# Altium PCB RpiBaseBoard.PcbDoc (continued)
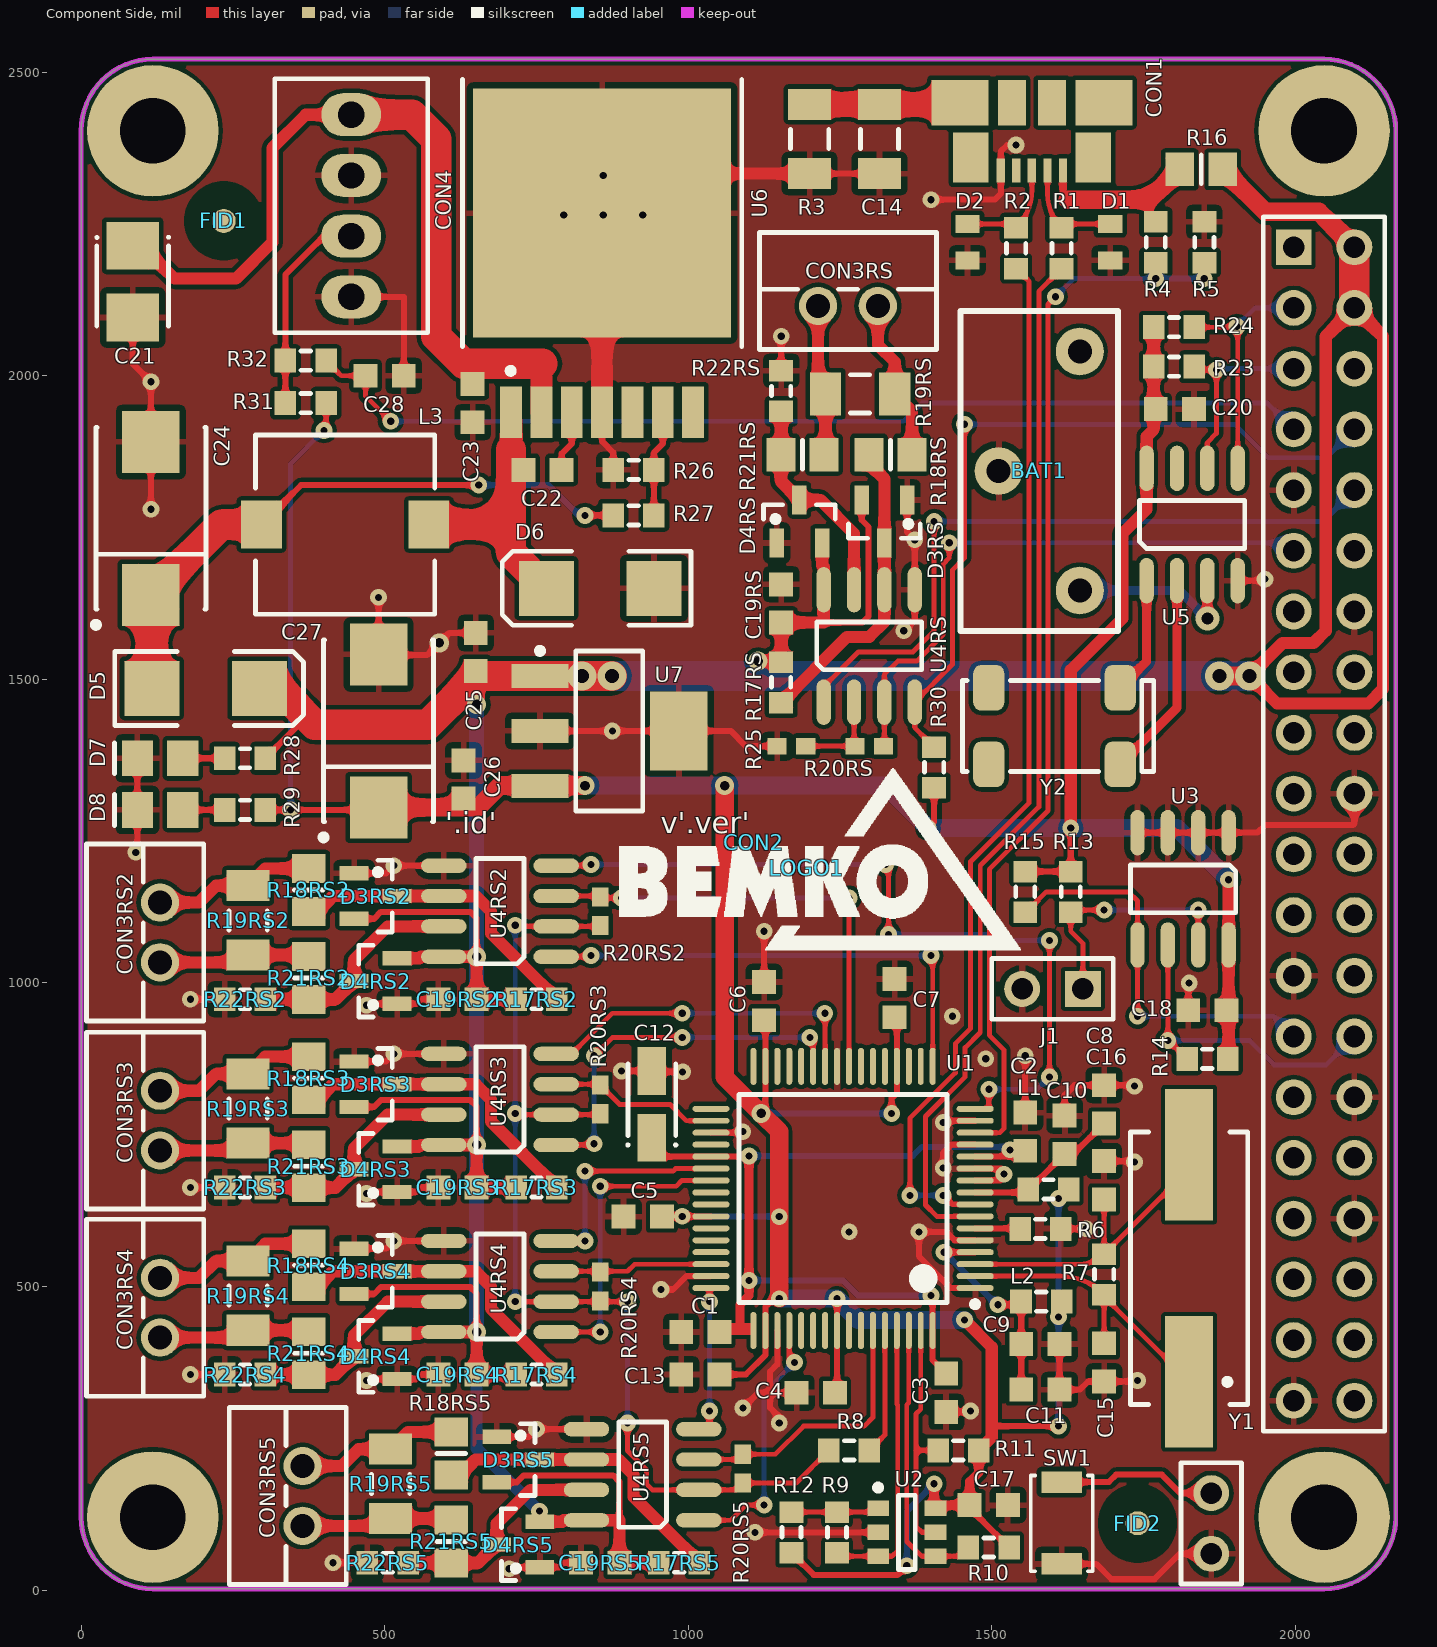
[diagram p0: Component Side view]
## Footprints (in the part's own frame and the unit in brackets; to place one, negate y for a bottom-side part, rotate by r counter-clockwise, add the part's x,y. Pads: shape width x height; smd on the part's side, far side on the other; paste and mask are expansions set on the pad) (continued)
LOGO_BEMKO [mil]
  silkscreen extent -308,-135 353,164
LQFP-64_L [mm] "Thin QFP, 64-Leads, Body 10x10mm, Pitch 0.5mm, IPC High Density"
  oval 1.55x0.25 smd: 1(-5.525,3.75) 2(-5.525,3.25) 3(-5.525,2.75) 4(-5.525,2.25) 5(-5.525,1.75) 6(-5.525,1.25) 7(-5.525,0.75) 8(-5.525,0.25) 9(-5.525,-0.25) 10(-5.525,-0.75) 11(-5.525,-1.25) 12(-5.525,-1.75) 13(-5.525,-2.25) 14(-5.525,-2.75) 15(-5.525,-3.25) 16(-5.525,-3.75) 33(5.525,-3.75) 34(5.525,-3.25) 35(5.525,-2.75) 36(5.525,-2.25) 37(5.525,-1.75) 38(5.525,-1.25) 39(5.525,-0.75) 40(5.525,-0.25) 41(5.525,0.25) 42(5.525,0.75) 43(5.525,1.25) 44(5.525,1.75) 45(5.525,2.25) 46(5.525,2.75) 47(5.525,3.25) 48(5.525,3.75)
  oval 0.25x1.55 smd: 17(-3.75,-5.525) 18(-3.25,-5.525) 19(-2.75,-5.525) 20(-2.25,-5.525) 21(-1.75,-5.525) 22(-1.25,-5.525) 23(-0.75,-5.525) 24(-0.25,-5.525) 25(0.25,-5.525) 26(0.75,-5.525) 27(1.25,-5.525) 28(1.75,-5.525) 29(2.25,-5.525) 30(2.75,-5.525) 31(3.25,-5.525) 32(3.75,-5.525) 49(3.75,5.525) 50(3.25,5.525) 51(2.75,5.525) 52(2.25,5.525) 53(1.75,5.525) 54(1.25,5.525) 55(0.75,5.525) 56(0.25,5.525) 57(-0.25,5.525) 58(-0.75,5.525) 59(-1.25,5.525) 60(-1.75,5.525) 61(-2.25,5.525) 62(-2.75,5.525) 63(-3.25,5.525) 64(-3.75,5.525)
  silkscreen extent -5.65,-4.35 4.35,4.55, body extent -6,-6 6,6, height 1.56
MICRO-USB-CONNECTOR [mm] "Usb B micro SMD connector"
  rect 1x0.35 smd: 1(0,1.3) 2(0,0.65) 3(0,0) 4(0,-0.65) 5(0,-1.3)
  rect 1.9x2.375 smd: 6(-2.85,3.013) 6(-2.85,-3.012)
  rect 1.9x1.175 smd: 6(-2.85,-0.837) 6(-2.85,0.837)
  rect 2.1x1.475 smd: 6(-0.55,2.562) 6(-0.55,-2.562)
  body extent -5.43,-4.1 0.5,4.1, height 2.72
MP04A_N [mm] "SOT223, 4-Leads, Body 6.5x3.5mm, Pitch 2.3mm, Lead Span 7mm, IPC Medium Density"
  rect 2.4x1 smd: 1(-2.9,2.3) 2(-2.9,0) 3(-2.9,-2.3)
  rect 2.4x3.3 smd: 4(2.9,0)
  silkscreen extent -3.02,-3.35 1.4,3.47, body extent -3.47,-3.25 3.47,3.25, height 1.64
MX-5267-02A [mm] "2.50mm (.098\") Pitch SPOX™ Wire-to-Board Header"
  round 1.6 hole 1: 1(-1.25,0) 2(1.25,0)
  silkscreen extent -3.7,-1.83 3.7,3.08, body extent -3.73,-1.83 3.68,3.08, height 5.95
RASPBERRYPI3 [mm] "Header with step"
  rect 1.5x1.5 hole 0.9: 1(50.73,-7.87)
  round 1.5 hole 0.9: 2(53.27,-7.87) 3(50.73,-10.41) 4(53.27,-10.41) 5(50.73,-12.95) 6(53.27,-12.95) 7(50.73,-15.49) 8(53.27,-15.49) 9(50.73,-18.03) 10(53.27,-18.03) 11(50.73,-20.57) 12(53.27,-20.57) 13(50.73,-23.11) 14(53.27,-23.11) 15(50.73,-25.65) 16(53.27,-25.65) 17(50.73,-28.19) 18(53.27,-28.19) 19(50.73,-30.73) 20(53.27,-30.73) 21(50.73,-33.27) 22(53.27,-33.27) 23(50.73,-35.81) 24(53.27,-35.81) 25(50.73,-38.35) 26(53.27,-38.35) 27(50.73,-40.89) 28(53.27,-40.89) 29(50.73,-43.43) 30(53.27,-43.43) 31(50.73,-45.97) 32(53.27,-45.97) 33(50.73,-48.51) 34(53.27,-48.51) 35(50.73,-51.05) 36(53.27,-51.05) 37(50.73,-53.59) 38(53.27,-53.59) 39(50.73,-56.13) 40(53.27,-56.13) 41(47.28,-59.99) 42(47.28,-62.53)
  round 5.5 hole 2.75: ""(3,-61) ""(3,-3) ""(52,-61) ""(52,-3)
  silkscreen extent 46.01,-63.8 54.54,-6.6, body extent -1.81,-86.99 55.5,0.39, height 12.55
RESC1005N [mm] "Chip Resistor, Body 1.1x0.5mm, IPC Medium Density"
  rect 0.8x0.7 smd: 1(-0.6,0) 2(0.6,0)
  body extent -0.57,-0.27 0.58,0.28, height 0.41
RESC1608N [mm] "Chip Resistor, Body 1.6x0.8mm, IPC Medium Density"
  rect 0.9x1 smd: 1(-0.85,0) 2(0.85,0)
  silkscreen extent -0.2,-0.4 0.2,0.4, body extent -0.8,-0.4 0.8,0.4, height 0.3
RESC2012N [mm] "Chip Resistor, Body 2.0x1.3mm, IPC Medium Density"
  rect 1.2x1.4 smd: 1(-0.9,0) 2(0.9,0)
  silkscreen extent 0,-0.6 0,0.6, body extent -1,-0.62 1,0.63, height 0.78
RESC3216N [mm] "Chip Resistor, Body 3.2x1.6mm, IPC Medium Density"
  rect 1.3x1.8 smd: 1(-1.45,0) 2(1.45,0)
  silkscreen extent -0.4,-0.8 0.4,0.8, body extent -1.6,-0.8 1.6,0.8, height 0.55
SMB [mm] "DO-214-AA/SMB; 2 C-Bend Leads; Body 5.3 x 3.6 mm, inc. leads (LxW)"
  rect 2.3x2.3 smd: 1(-2.25,0) 2(2.25,0)
  silkscreen extent -3.8,-1.55 4.1,1.55, body extent -2.67,-1.77 2.63,1.83, height 2.4
SMDA [mm] "Capacitor, SM Tantalum; Body 3.2 x 1.6 mm (LxW typ)"
  rect 2x1.2 smd: 1(-1.4,0) 2(1.4,0)
  silkscreen extent -1.71,-1.01 1.7,1.01, body extent -2.4,-0.9 2.4,0.9, height 1.8
SMDB [mm] "Capacitor, SM Tantalum; Body 3.5 x 2.8 mm (LxW typ)"
  rect 2x2.2 smd: 1(-1.5,0) 2(1.5,0)
  silkscreen extent -1.86,-1.5 1.85,1.5, body extent -2.5,-1.5 2.5,1.5, height 2.11
SMDD [mm] "Capacitor, SM Tantalum; Body 7.3 x 4.3 mm (LxW typ)"
  rect 2.6x2.4 smd: 1(-3.2,0) 2(3.2,0)
  silkscreen extent -4.57,-2.3 3.8,2.42, body extent -4.5,-2.3 4.5,2.31, height 3.1
SO-8_L [mm] "8-Pin Small Outline Integrated Circuit 1.27 mm Pitch, IPC High Density"
  oval 1.9x0.6 smd: 1(-2.35,1.905) 2(-2.35,0.635) 3(-2.35,-0.635) 4(-2.35,-1.905) 5(2.35,-1.905) 6(2.35,-0.635) 7(2.35,0.635) 8(2.35,1.905)
  silkscreen extent -1,-2.2 1,2.2, body extent -3.17,-2.5 3.17,2.5, height 1.88
SOT23-3L [mm] "SOT23, 3-Leads, Body 2.9x1.3mm, Pitch 0.95mm, Lead Span 2.5mm, IPC High Density"
  rect 1.2x0.6 smd: 1(-0.9,0.95) 2(-0.9,-0.95) 3(0.9,0)
  silkscreen extent -0.02,-1.5 0.7,1.5, body extent -1.26,-1.45 1.21,1.47, height 1
SOT23-6 [mm] "SOT23, 6-Leads, Body 3x1.5mm, Pitch 1mm, Lead Span 2.7mm, IPC High Density"
  rect 0.9x0.65 smd: 1(-1.2,1) 2(-1.2,0) 3(-1.2,-1) 4(1.2,-1) 5(1.2,0) 6(1.2,1)
  silkscreen extent -1.32,-1.55 0.35,2, body extent -1.4,-1.45 1.4,1.45, height 1.45
SURGX-0603 [mil] "Suppressor diode"
  rect 30x40 smd: 1(-30,0) 2(30,0)
  body extent -31,-16 32,16, height 35
Terminal-block-4way-2.54 [mm]
  oval 1.8x2.5 hole 1.1: 1(-3.81,0) 2(-1.27,0) 3(1.27,0) 4(3.81,0)
  silkscreen extent -5.31,-3.2 5.31,3.2, body extent -5.28,-3.3 5.34,3.2, height 8.6
TO-263-7 [mil] "D2-PAK/TO-263-AB; 7 Leads (1 Cropped); Body 15.9 (inc. leads) x 10.4 mm (LxW max)"
  rect 36x85 smd: 1(-150,-242.74) 2(-100,-242.74) 3(-50,-242.74) 4(0,-242.74) 5(50,-242.74) 6(100,-242.74) 7(150,-242.74)
  rect 425x410 smd paste-400: TAB(0,85.26)
  silkscreen extent -230,-179 230,305, body extent -201,-280 199,286, height 179
ULTRA-SMALL-TACT-SWITCH-SMT [mm] "B3U-1000PM. Ultra-small-sized Tactile Switch with  High Contact Reliability"
  rect 0.9x1.7 smd: 1(-1.7,0) 2(1.725,0)
  silkscreen extent -2,-1.3 2,1.3, body extent -2,-1.25 2,1.25, height 1.6

## Part data
C1 C2 C3 C4 C5 C6 C7 C8 C9 C10 C11 C13 C14 C15 C16 C17 C18 C19RS C19RS2 C19RS3 C19RS4 C19RS5 C20 C22 C23 C28: library part Capacitor, "Capacitor"
C12: library part "100uF 6.3V-SMDB", "Polarized Capacitor (Surface Mount)", Distributor=tme.pl, Distributor Order Code="TC 100/6.3-SMDB", farnell=1135048, Manufacturer=*, Manufacturer Part No.=*, PackageReference=SMDB, tme.pl="TC 100/6.3-SMDA"
C21: library part "Capacitor Tantalum", "Capacitor Tantalum"
C24 C27: library part "10uF 35V-SMDD", "Polarized Capacitor (Surface Mount)", Distributor=tme.pl, Distributor Order Code="TC 10/35-SMDD", Manufacturer=*, Manufacturer Part No.=*, PackageReference=SMDD, tme.pl="TC 10/35-SMDD"
C25 C26: library part Cap, "Capacitor", LatestRevisionDate=17-Jul-2002, LatestRevisionNote="Re-released for DXP Platform.", Published=8-Jun-2000, Publisher="Altium Limited"
CON1: library part USB-B-MICRO-Sock
CON2: library part RaspberryPi3, "Raspberry pi model 3B connector with step"
CON3RS CON3RS2 CON3RS3 CON3RS4 CON3RS5: library part MX-02227-2021, "Pith 2.54mm, 2-pin", ComponentLink1Description="Manufacturer Link", ComponentLink2Description=Datasheet, Distributor=tme.pl, tme.pl=MX-6410-03A
CON4: library part "Terminal Block 4"
D1 D2: "ESD Suppressor", ComponentLink1Description="Manufacturer Link", ComponentLink2Description=Datasheet, Distributor=tme.pl
D3RS D3RS2 D3RS3 D3RS4 D3RS5 D4RS D4RS2 D4RS3 D4RS4 D4RS5: "Schottky Barrier Double Diode", ComponentLink1Description="Manufacturer Link", ComponentLink1URL=http://www.semiconductors.philips.com/, ComponentLink2Description=Datasheet, ComponentLink2URL=http://www.semiconductors.philips.com/acrobat/datasheets/BAT54_SERIES_4.pdf, DatasheetVersion=4-Mar-2002, LatestRevisionDate=12-Dec-2006, LatestRevisionNote="IPC-7351 Footprint Added.", PackageDescription="3-Pin SOT-23 Package 0.95 mm Pitch, 2.3 mm Lead Span", PackageReference=SOT23, PackageVersion=May-1999, Published=17-Sep-2003, Publisher="Altium Limited"
D5 D6: library part MBRS340T3, "Schottky Barrier Rectifier,  40V, 3A", Distributor=*, Distributor Order Code=*, Manufacturer Part No.=*, PackageReference=SMC, tme.pl=MBRS340T3
D7 D8: library part "Led Green", "Typical GREEN LED", Manufacturer="Lucky Light"
FID1 FID2: library part "FID ROUND", "round fiducial"
L1 L2: library part Inductor, "Inductor", Code_IEC=1005, Code_JEITA=0402, LatestRevisionDate=29-May-2009, LatestRevisionNote="IPC-7351 Footprint Added.", PackageDescription="Chip Inductor", PackageReference=0402-A, Published=8-Jun-2000, Publisher="Altium Limited"
L3: PackageDocument=Sep-1998, ComponentLink1Description="Manufacturer Link", ComponentLink2Description=Datasheet, Distributor=tme.pl, elfa.se=58-101-14, Published=8-Jun-2000, Publisher="Altium Limited"
R1 R2 R3 R7 R8 R13 R14 R15 R16 R17RS R17RS2 R17RS3 R17RS4 R17RS5 R22RS R22RS2 R22RS3 R22RS4 R22RS5 R23 R24 R26 R27 R28 R29 R31 R32: library part Resistor, "Resistor", Power=0W, Tolerance=5%
R4 R5 R6 R9 R10 R11 R12 R18RS R18RS2 R18RS3 R18RS4 R18RS5 R19RS R19RS2 R19RS3 R19RS4 R19RS5 R20RS R20RS2 R20RS3 R20RS4 R20RS5 R21RS R21RS2 R21RS3 R21RS4 R21RS5 R25 R30: library part Resistor, "Resistor", Power=0W, Tolerance=1%
SW1: library part DTSHW66NB, "SWITCH, SPNO TACT", PackageDocument=Sep-1998, ComponentLink1Description="Manufacturer Link", ComponentLink2Description=Datasheet, Distributor=tme.pl, LatestRevisionDate=17-Jul-2002, LatestRevisionNote="Re-released for DXP Platform.", PackageReference=SOT-23A, Published=8-Jun-2000, Publisher="Altium Limited", tme.pl=DTSHW66NB
U1: library part COM-UART-FT4232H-LQFP64, "Quad High Speed USB To Multipurpose UART/MPSSE IC, 64-pin LQFP, Tape and Reel", Manufacturer=FTDI, ComponentLink1Description="Manufacturer URL", ComponentLink1URL=http://www.ftdichip.com/, ComponentLink2Description=Datasheet, ComponentLink2URL=http://www.ftdichip.com/Support/Documents/DataSheets/ICs/DS_FT4232H.pdf, DatasheetVersion="ver 2.2, Jan-2012", PackageDescription="64-Pin Thin Quad Flat Pack, 10 x 10 x 1.4 mm Body, 0.5 mm Pitch", PackageReference=LQFP-64, PackageVersion=Jan-12, PartNumber=FT4232HL-Reel, RevisionNote="DatasheetVersion updated to 2.2 Jan-2012"
U2: "1K Microwire Compatible Serial EEPROM"
U3: "16Kbit, 400kHz, 2.5V, I2C Serial EEPROM, 8-Pin SOIC 150mil, Extended Temperature", Code_IPC=SOIC127P600-8, Code_JEDEC=MS-012, DatasheetVersion="revA, Nov-2008", PackageDescription="8-Lead Plastic Small Outline (SN) - Narrow, 3.90mm Body [SOIC]", PackageReference=SOIC-SN8, PackageVersion="revBB, Aug-2009"
U4RS U4RS2 U4RS3 U4RS4 U4RS5: "Low-Power, Slew-Rate-Limited RS-485/RS-422 Transceiver", Code_IPC=SOIC127P600-8, Code_JEDEC=MS-012-AA, ComponentLink1Description="Manufacturer Link", ComponentLink1URL=http://www.maxim-ic.com/, ComponentLink2Description=Datasheet, ComponentLink2URL=http://pdfserv.maxim-ic.com/en/ds/MAX1487-MAX491.pdf, DatasheetVersion=Feb-1996, LatestRevisionDate=13-Apr-2006, LatestRevisionNote="IPC-7351 Footprint Added.", PackageDescription="8-Pin Small Outline Integrated Circuit 1.27 mm Pitch", PackageReference=NSO8, Published=16-Jan-2001, Publisher="Altium Limited"
U5: library part CMP-0254-00324-1, "64 x 8, Serial, I2C Real-Time Clock, 5.0V, 8-Pin SO, -40 to 85 degC, Pb-Free", Code_IPC=SOIC127P600-8, Code_JEDEC=MS-012-AA, ComponentLink1Description="Manufacturer URL", ComponentLink1URL=http://www.maxim-ic.com, ComponentLink2Description=Datasheet, ComponentLink2URL=http://datasheets.maxim-ic.com/en/ds/DS1307.pdf, ComponentLink3Description="Package Specification", ComponentLink3URL=http://pdfserv.maxim-ic.com/package_dwgs/21-0041.PDF, DatasheetVersion=10-Feb-2008, PackageDescription="8-Pin Small-Outline IC, Narrow (0.15in), 1.27 mm Pitch, SOIC (N), Pb-Free", PackageReference=S8+2, PackageVersion="revC, 2010"
U6: "SIMPLE SWITCHER High Efficiency 3A Step-Down Voltage Regulator", ComponentLink1Description="Manufacturer Link", ComponentLink1URL=http://www.national.com/, ComponentLink2Description=Datasheet, ComponentLink2URL=http://www.national.com/ds.cgi/LM/LM2676.pdf, Distributor=tme.pl, elfa.se=73-068-81
U7: "1A Low Dropout Regulator for 5V to 3.3V Conversion, 4-pin SOT-223", Manufacturer="National Semiconductor", PackageTopMarking=XYTT*L52B, PowerWise=N, Supplier Part Number 1=9779280, Code_IPC=SOT223-4, Code_JEDEC=TO-261-AA, ComponentLink1Description="LM3940 Datasheet", ComponentLink1URL=http://www.national.com/ds/LM/LM3940.pdf, ComponentLink2Description="LM3940 Web Page", ComponentLink2URL=http://www.national.com/pf/LM/LM3940.html, ComponentLink3Description="MP04A Package Page", ComponentLink3URL=http://www.national.com/packaging/folders/mp04a.html, CompType="LDO IC", DatasheetVersion=Jul-2007, PackageDescription="Molded SOT-223, 6.50 x 3.56 x 1.6mm Body, 4 Lead, 2.3mm Pitch", PackageReference=MP04A, PackageVersion="revB, Apr-2003", PartNumber=LM3940IMP-3.3, PinCount=4, Published=4-Dec-2008, Publisher="Altium Limited", RoHS=N, Supplier 1=Farnell
Y1: library part HC49, "HC49"
Y2: library part XTAL, "Crystal Oscillator"

## Via types
v1: diameter 27.56, hole 11.81, Component Side to Bottom Layer, tented both sides, 118 vias
v2: diameter 31.5, hole 15.75, Component Side to Bottom Layer, tented both sides, 9 vias
v3: diameter 47.24, hole 23.62, Component Side to Bottom Layer, tented both sides, 4 vias
v4: diameter 39.37, hole 19.68, Component Side to Bottom Layer, tented both sides, 1 vias

## Nets (pads, with @x,y where several pads share a name; then routed paths per layer and width w, separated by ;. In a path a pad name is that pad's centre, name@x,y a point inside that pad or via, vN(x,y) a via of type N, cw(c..) or ccw(c..) an arc to the next point about the centre after c; other vN are vias at no path point)
1V8: C1.1 C2.1 C3.1 C12.1 U1.12 U1.37 U1.49 U1.64 | length 1448
  Component Side w10: C12.1 940,720 946.1,713.9 U1.37 1098.9,713.9 v1(1100,715) ; v1(1400,485) 1402.64,482.36 U1.64 1402.64,378.86 C3.1 ; U1.12 1545.39,713.9 C2.1
  Component Side w15: 1085,435 1085,470 1100,485 v1(1100,510) v1(1100,715)
  Bottom Layer w10: v1(1100,510) 1254.69,510 1279.69,485 v1(1400,485) ; v1(1100,715) 1370,715 1385,730 1525,730 v1(1530,725)
3V3: C4.1 C5.1 C6.1 C7.1 C13.1 C17.2 C18.2 C20.2 C26.2 C27.1 L1.1 L2.1 R9.1 R10.1 R11.1 R13.1 R14.1 R15.1 R23.1 R24.1 R29.1 R30.1 R31.1 U1.20 U1.31 U1.42 U1.50 U1.56 U2.6 U3.8 U5.8 U7.3 | length 7500.3
  Component Side w8: v1(400,1910) 403.46,1913.46 R31.1
  Component Side w10: R29.1 v1(345,1285) 485.98,1285 C27.1 ; C5.1 956.97,615.47 v1(990,615.47) U1.42 ; C13.1 1095,355 1127.05,387.05 U1.50 1127.05,467.1 v1@1150,490.05 ; 1060,935 1063.5,938.5 ; v2(1120,785) 1127.05,792.05 U1.31 1127.05,936.46 C6.1 ; R9.1 1206.54,25 1345,25 v1(1360,40) ; C4.1 1245.16,328.66 U1.56 1245.16,479.84 v1(1245,480) ; C7.1@1328.5,955 C7.1 1343.58,939.92 U1.20 1343.58,818.58 1335,810 v1(1335,785) ; v1(1395,1255) 1405,1265 R30.1 ; U2.6@1405,136.61 U2.6 U2.6@1412.87,140 ; C17.2 1463.5,134.96 R10.1 ; 1500,270 v1(1610,270) ; R15.1 R13.1 v1(1630,1255)
  Component Side w15: U2.6@1405,136.61 v1(1405,175) ; U2.6@1412.87,140 C17.2 1463.5,178.5 1478.46,193.46 R11.1
  Component Side w20: v1(1455,445) 1500,400 1500,270 1500,251.54 R11.1 ; v1(1630,1255) 1630,1515 1715,1600 1715,1740 1755,1780 U5.8 1755,1900 1766.54,1911.54 R23.1 R24.1 ; R14.1 1890,876.54 U3.8 v1(1890,1170)
  Component Side w30: C27.1 654.02,1289.02 690,1325 755.28,1325 U7.3 756.38,1325 v2(830,1325) ; v2(1060,1325) 1060,935 1060,845 v2(1120,785) 1150,755 v1(1150,615) 1150,490.05 v1(1150,480)
  Bottom Layer w8: v1(345,1285) 345,1855 v1(400,1910)
  Bottom Layer w10: v1(990,615.47) 1149.53,615.47 v1(1150,615) ; v2(1120,785) v1(1335,785) ; v1(1360,40) 1360,130 v1(1405,175) ; v1(1610,270) v1(1610,450) v1(1610,645)
  Bottom Layer w30: v2(830,1325) v2(1060,1325) 1325,1325 v1(1395,1255) v1(1630,1255) 1805,1255 v1(1890,1170) ; v1(1150,480) v1(1245,480) 1280,445 v1(1455,445)
3V3RPI: CON2.1 CON2.17
5V: C19RS2.1 C19RS3.1 C19RS4.1 C19RS5.1 C19RS.1 C25.2 CON2.2 CON2.4 D3RS2.2 D3RS3.2 D3RS4.2 D3RS5.2 D3RS.2 D4RS2.2 D4RS3.2 D4RS4.2 D4RS5.2 D4RS.2 D5.2 R16.1 R17RS2.2 R17RS3.2 R17RS4.2 R17RS5.2 R17RS.2 R28.1 U4RS2.8 U4RS3.8 U4RS4.8 U4RS5.8 U4RS.8 U7.1 | length 8100.8
  Component Side w10: R28.1 365,1431.54 365,1445 ; D3RS4.2 482.6,487.6 493.81,498.81 641.19,498.81 651.5,488.5 v2(651.5,425) ; D3RS3.2 482.6,795.71 493.81,806.92 641.19,806.92 651.5,796.61 v2(651.5,733.11) ; D3RS2.2 482.6,1105.71 493.81,1116.92 641.19,1116.92 651.5,1106.61 v2(651.5,1043.11) ; D3RS5.2 717.6,177.6 728.81,188.81 876.19,188.81 886.5,178.5 886.5,98.5 ; 1206.61,1593.5 1286.61,1593.5 1296.92,1603.81 1296.92,1751.19 1285.71,1762.4 D3RS.2
  Component Side w20: D5.2 D5.2@303.46,1475.12 ; D4RS4.2 557.4,422.4 560,425 U4RS4.8 v2(651.5,425) C19RS4.1 R17RS4.2 ; D4RS3.2 557.4,730.51 560,733.11 U4RS3.8 v2(651.5,733.11) C19RS3.1 R17RS3.2 ; D4RS2.2 557.4,1040.51 560,1043.11 U4RS2.8 v2(651.5,1043.11) C19RS2.1 R17RS2.2 ; v1(755,130) 755,112.83 D4RS5.2 792.4,112.4 795,115 U4RS5.8 886.5,115 C19RS5.1 R17RS5.2 ; v2(1115,1530) 1151.57,1530 R17RS.2 C19RS.1 1223.11,1593.5 U4RS.8 1223.11,1685 1220.51,1687.6 D4RS.2 ; v3(1924.45,1505.55) 1970,1460 2120,1460 2144.42,1484.42 2144.42,2064.56 CON2.4 2050,2064.49 2050,1580 2030,1560 1978.9,1560 v3(1924.45,1505.55)
  Component Side w25: C25.2 651.5,1512.01 651.5,1505.55 v2(651.5,1458.5)
  Component Side w30: v3(1875,1505.55) v3(1924.45,1505.55) ; R16.1 1950.43,2270 2038.98,2270 CON2.2
  Component Side w50: D5.2 325,1485 365,1445 385,1425 570.94,1425 651.5,1505.55 U7.1 v3(874.45,1505.55) ; CON2.4 CON2.2
  Bottom Layer w20: v2(651.5,425) 651.5,233.5 v1(755,130)
  Bottom Layer w25: v2(651.5,425) v2(651.5,733.11) v2(651.5,1043.11) v2(651.5,1458.5)
  Bottom Layer w50: v3(825,1505.55) v3(874.45,1505.55) v3(1875,1505.55) v3(1924.45,1505.55) v3@1925,1505
#PDOWN: C28.2 CON2.7 R32.2 | length 1685.2
  Component Side w8: R32.2 428.46,2000 C28.2 468.5,1966.5 v1(510,1925)
  Bottom Layer w8: v1(510,1925) 1355,1925 1385,1955 1953.98,1955 CON2.7
#PWREN: R8.1 R20RS2.2 R20RS3.2 R20RS4.2 R20RS5.2 U4RS2.2 U4RS3.2 U4RS4.2 U4RS5.2 | length 1732.1
  Component Side w8: v1(715,475) U4RS4.2 v1(900,475) ; v1(715,785) 716.89,783.11 U4RS3.2 853.62,783.11 R20RS3.2 ; v1(715,1095) 716.89,1093.11 U4RS2.2 853.62,1093.11 R20RS2.2 ; v1(900,275) 900,229.7 931,198.7 931,175 941,165 U4RS5.2 1078.62,165 R20RS5.2 1177.91,176.38 R8.1
  Bottom Layer w8: v1(715,475) v1(715,785) v1(715,1095) ; v1(900,275) v1(900,475)
#RERS: R20RS.2 R25.2 U4RS.2 | length 151.2
  Component Side w8: R25.2 1271.73,1390 1273.11,1391.38 U4RS.2
CLK: R10.2 U1.62 U2.4 | length 466.4
  Component Side w8: U1.62 1363.27,308.27 1360,305 1360,80 1384.37,55.63 U2.4 1447.17,55.63 R10.2
CS: R11.2 U1.63 U2.5 | length 398.7
  Component Side w8: U1.63 1382.95,297.95 1375,290 1375,230 ; U2.5 1385,95 1375,105 1375,230 ; R11.2 1375,230
CTS0: CON2.36
D+: CON1.3 D2.2 R2.1 | length 184
  Component Side w8: D2.2 1533.46,2250 R2.1 ccw(c1477.03,2306.43) 1566.08,2306.43 CON1.3
D-: CON1.2 D1.2 R1.1 | length 183.3
  Component Side w8: CON1.2 1591.67,2299.78 ccw(c1671.32,2299.78) R1.1 1621.54,2250 D1.2
DERS: CON2.11 R20RS.1 U4RS.3 | length 970.9
  Component Side w8: R20RS.1 1323.11,1391.38 U4RS.3 1323.11,1508.11 1345,1530 1376.21,1530 1420,1573.79 1420,1690 1430,1700 v1(1430,1725)
  Bottom Layer w8: v1(1430,1725) 1983.98,1725 CON2.11
DI: R12.2 U1.61 U2.3 | length 469.4
  Component Side w8: R12.2 1250.91,55.63 U2.3 1335.63,55.63 1345,65 1345,305 1343.58,306.42 U1.61
DO: R9.2 R12.1 U2.1 | length 145.2
  Component Side w8: R9.2 R12.1 1306.85,128.46 U2.1
GND: BAT1.3 C1.2 C2.2 C3.2 C4.2 C5.2 C6.2 C7.2 C8.2 C9.2 C10.2 C11.2 C12.2 C13.2 C14.1 C15.1 C16.1 C17.1 C18.1 C19RS2.2 C19RS3.2 C19RS4.2 C19RS5.2 C19RS.2 C20.1 C21.2 C23.1 C24.2 C25.1 C26.1 C27.2 C28.1 CON1.5 CON2.6 CON2.9 CON2.14 CON2.20 CON2.25 CON2.30 CON2.34 CON2.39 CON2.42 CON4.2 CON4.4 D1.1 D2.1 D3RS2.1 D3RS3.1 D3RS4.1 D3RS5.1 D3RS.1 D4RS2.1 D4RS3.1 D4RS4.1 D4RS5.1 D4RS.1 D6.1 D7.2 D8.2 J1.2 R3.1 R5.2 R6.2 R22RS2.1 R22RS3.1 R22RS4.1 R22RS5.1 R22RS.1 R25.1 R26.1 SW1.1 U1.1 U1.5 U1.10 U1.11 U1.13 U1.15 U1.25 U1.35 U1.47 U1.51 U2.2 U3.1 U3.2 U3.3 U3.4 U4RS2.5 U4RS3.5 U4RS4.5 U4RS5.5 U4RS.5 U5.4 U6.4 U6.TAB U7.2 U7.4 | length 6789.5
  Component Side w10: C21.2 85,2020 v1(115,1990) C24.2 v1(115,1780) ; v1(90,1215) 92.6,1217.6 D8.2 D7.2 ; v1(180,355) R22RS4.1 ; v1(180,663.11) R22RS3.1 ; v1(180,973.11) R22RS2.1 ; v1(415,45) R22RS5.1 ; CON4.4 531.5,2130 C28.1 ; D3RS4.1 502.4,562.4 v1(515,575) U4RS4.5 ; D3RS3.1 502.4,870.51 v1(515,883.11) U4RS3.5 ; D3RS2.1 502.4,1180.51 v1(515,1193.11) U4RS2.5 ; v1(470,345) 472.6,347.6 D4RS4.1 552.6,347.6 560,355 C19RS4.2 ; v1(470,653.11) 472.6,655.71 D4RS3.1 552.6,655.71 560,663.11 C19RS3.2 ; v1(470,963.11) 472.6,965.71 D4RS2.1 552.6,965.71 560,973.11 C19RS2.2 ; v1(490,1635) C27.2 490.98,1540 570,1540 606.5,1576.5 C25.1 ; D3RS5.1 737.4,252.4 v1(750,265) U4RS5.5 ; v1(705,35) 707.6,37.6 D4RS5.1 787.6,37.6 795,45 C19RS5.2 ; U7.2 v1(875,1415) U7.4 1070,1415 1095,1390 R25.1 ; U6.4 858.11,1891.89 876.54,1873.46 R26.1 ; v1(890,855) 890.12,855.12 C12.2 941.61,853.5 v1(990.81,853.5) ; v1(955,495) 975,495 997.05,517.05 U1.47 ; U1.35 1088.27,753.27 v1(1090,755) ; v1(1090,300) 1115,325 1135,325 ; v1(1110,95) U2.2 ; C6.2 v1(1125,1085) ; U1.51 1146.73,371.73 1135,360 1135,325 ; v1(1150,275) 1150,285 1135,300 1135,325 ; R22RS.1 v1(1153.11,2065) ; C4.2 1135,325 ; R3.1 C14.1 ; v1(1355,1580) 1373.11,1598.11 U4RS.5 v1(1373.11,1730) 1360.51,1742.6 D3RS.1 ; v1(1400,2290) 1505,2290 1514.9,2299.9 CON1.5 1514.9,2369.9 1525,2380 v1(1540,2380) ; v1(1420,695) 1420,720 1433.58,733.58 U1.13 ; v1(1420,770) 1422.95,772.95 U1.15 ; C3.2 1463.5,293.5 v1(1465,295) ; U1.1 1432.64,497.36 1380,550 v1(1380,590) 1425,590 1438.9,576.1 U1.5 ; U1.10 1514.53,674.53 1525,685 1515.79,694.21 U1.11 ; C2.2 v1(1555,880) ; C9.2 C11.2 1645,330 1658.5,343.5 C15.1 1738.5,343.5 v1(1740,345) ; R6.2 v1(1655,595) ; SW1.1 1671.93,43.07 1697.17,17.83 1767.83,17.83 1809.76,59.76 CON2.42 ; C10.2 1620,815 1636.5,831.5 C8.2 1733.5,831.5 v1(1735,830) ; C16.1 1733.5,706.5 v1(1735,705) ; U3.4 U3.3 U3.2 U3.1 1937.52,1247.52 1950,1260 2095,1260 2097.24,1262.24 CON2.20 CON2.20@2095,1309.49 ; C18.1 1823.5,998.5 v1(1825,1000) ; U5.4 1947.48,1662.48 v1(1950,1665)
  Component Side w20: U6.TAB 923.02,2332.91 R3.1
  Component Side w35: U6.4 U6.TAB
  other v1: 1265,590 1520,685 1490,875 1435,945 795,2265 860,2265 925,2265 860,2330
  other v2: 590,1560
NetC8_1: C8.1 C10.1 L1.2 U1.9 | length 260.2
  Component Side w10: U1.9 1554.84,654.84 L1.2 1561.5,660 C10.1 1635,718.5 C8.1 ; L1.2@1548.07,660 L1.2@1548.5,660.43
NetC9_1: C9.1 C11.1 L2.2 U1.4 | length 362.8
  Component Side w10: v1@1420,555 v1(1421.42,556.42) U1.4 ; v1(1510,470) 1543.07,470 L2.2 1548.5,474.57 C9.1 C11.1
  Bottom Layer w10: v1(1421.42,556.42) 1507.83,470 v1(1510,470)
NetC22_1: C22.1 D6.2 L3.1 U6.1 | length 449.5
  Component Side w35: 708.11,1878.11 U6.1
  Component Side w50: L3.1 708.11,1755 ; 708.11,1878.11 708.11,1755 ; D6.2 708.11,1708.31 708.11,1755
NetC22_2: C22.2 U6.3 | length 101.9
  Component Side w10: C22.2 791.5,1871.5 808.11,1888.11 U6.3
NetC24_1: C24.1 D5.1 L3.2 R27.2 | length 1011.8
  Component Side w10: L3.2 362.2,1820 v1(655,1820) ; v1(830,1770) R27.2
  Component Side w50: D5.1 116.42,1637.6 C24.1 230.98,1755 L3.2
  Bottom Layer w10: v1(655,1820) 770,1820 820,1770 v1(830,1770)
NetCON2_41: CON2.41 SW1.2 | length 263.9
  Component Side w10: SW1.2 1692.93,177.93 1705,190 1780,190 1810.24,159.76 CON2.41
NetCON4_3: CON4.3 R31.2 R32.1 | length 346.3
  Component Side w10: R31.2 R32.1 336.54,2166.54 400,2230 CON4.3
NetD3RS2_3: D3RS2.3 R17RS2.1 R18RS2.2 U4RS2.6 | length 510.8
  Component Side w20: R18RS2.2 389.57,1117.68 415,1143.11 D3RS2.3 U4RS2.6 650,1143.11 675,1118.11 675,1081.57 R17RS2.1
NetD3RS3_3: D3RS3.3 R17RS3.1 R18RS3.2 U4RS3.6 | length 510.8
  Component Side w20: R18RS3.2 389.57,807.68 415,833.11 D3RS3.3 U4RS3.6 650,833.11 675,808.11 675,771.57 R17RS3.1
NetD3RS4_3: D3RS4.3 R17RS4.1 R18RS4.2 U4RS4.6 | length 510.8
  Component Side w20: R18RS4.2 389.57,499.57 415,525 D3RS4.3 U4RS4.6 650,525 675,500 675,463.46 R17RS4.1
NetD3RS5_3: D3RS5.3 R17RS5.1 R18RS5.2 U4RS5.6 | length 510.8
  Component Side w20: R18RS5.2 624.57,189.57 650,215 D3RS5.3 U4RS5.6 885,215 910,190 910,153.46 R17RS5.1
NetD3RS_3: D3RS.3 R17RS.1 R18RS.2 U4RS.6 | length 510.8
  Component Side w20: R17RS.1 1261.57,1570 1298.11,1570 1323.11,1595 U4RS.6 D3RS.3 1323.11,1830 1297.68,1855.43 R18RS.2
NetD4RS2_3: D4RS2.3 R21RS2.2 R22RS2.2 U4RS2.7 | length 364.3
  Component Side w20: R22RS2.2 374.57,973.11 R21RS2.2 419.13,972.68 D4RS2.3 449.57,1037.68 505,1093.11 U4RS2.7
NetD4RS3_3: D4RS3.3 R21RS3.2 R22RS3.2 U4RS3.7 | length 364.3
  Component Side w20: R22RS3.2 374.57,663.11 R21RS3.2 419.13,662.68 D4RS3.3 449.57,727.68 505,783.11 U4RS3.7
NetD4RS4_3: D4RS4.3 R21RS4.2 R22RS4.2 U4RS4.7 | length 364.3
  Component Side w20: R22RS4.2 374.57,355 R21RS4.2 419.13,354.57 D4RS4.3 449.57,419.57 505,475 U4RS4.7
NetD4RS5_3: D4RS5.3 R21RS5.2 R22RS5.2 U4RS5.7 | length 364.3
  Component Side w20: R22RS5.2 609.57,45 R21RS5.2 654.13,44.57 D4RS5.3 684.57,109.57 740,165 U4RS5.7
NetD4RS_3: D4RS.3 R21RS.2 R22RS.2 U4RS.7 | length 364.3
  Component Side w20: R22RS.2 1153.11,1870.43 R21RS.2 1152.68,1825.87 D4RS.3 1217.68,1795.43 1273.11,1740 U4RS.7
NetD7_1: D7.1 R28.2 | length 69.1
  Component Side w10: D7.1 R28.2
NetD8_1: D8.1 R29.2 | length 69.1
  Component Side w10: D8.1 R29.2
NetR6_1: R6.1 U1.6 | length 74.3
  Component Side w10: U1.6 1545.75,595.79 R6.1
NetR8_2: R8.2 U1.60 | length 208
  Component Side w8: R8.2 1323.9,255.43 U1.60
NetR26_2: R26.2 R27.1 U6.6 | length 176.1
  Component Side w10: R27.1 943.46,1873.46 958.11,1888.11 U6.6
NetU5_1: U5.1 Y2.1 | length 194.5
  Component Side w15: Y2.1 1755,1529.45 U5.1
NetU5_2: U5.2 Y2.2 | length 341.2
  Component Side w15: Y2.2 1805,1453.46 U5.2
OSCI: C15.2 R7.2 U1.2 Y1.1 | length 498.8
  Component Side w8: U1.2 1613.07,517.05 cw(c1613.07,417.05) 1683.78,487.76 R7.2 R7.2@1685,482.99 ; C15.2 R7.2@1685,482.99 ; Y1.1 R7.2@1685,482.99
OSCO: C16.2 R7.1 U1.3 Y1.2 | length 528.5
  Component Side w8: U1.3 1644.6,536.73 ccw(c1644.6,593.86) R7.1 ; C16.2 R7.1 ; Y1.2 1825,693.46 R7.1
RS485DE1: R20RS2.1 U1.24 U4RS2.3 | length 761.1
  Component Side w8: U4RS2.3 853.62,1143.11 R20RS2.1 856.73,1140 v1(890,1140) ; U1.24 v1@1264.84,1139.84
  Bottom Layer w8: v1(890,1140) v1(1265,1140)
RS485DE2: R20RS3.1 U1.34 U4RS3.3 | length 279.9
  Component Side w8: U4RS3.3 853.62,833.11 R20RS3.1 886.73,800 970,800 997.05,772.95 U1.34
RS485DE3: R20RS4.1 U1.46 U4RS4.3 | length 259.8
  Component Side w8: U4RS4.3 900,525 911.73,536.73 U1.46
RS485DE4: R20RS5.1 U1.59 U4RS5.3 | length 458.6
  Component Side w8: U4RS5.3 1081.38,215 R20RS5.1 1143.62,223.62 1190,270 1290,270 1304.21,284.21 U1.59
RS485RS2_N: CON3RS2.1 R19RS2.2 R21RS2.1 | length 251.1
  Component Side w20: CON3RS2.1 262.87,1033.9 R19RS2.2 372.52,1046.02 R21RS2.1
RS485RS2_P: CON3RS2.2 R18RS2.1 R19RS2.1 | length 268.3
  Component Side w20: CON3RS2.2 194.21,1132.32 222.09,1160.2 R19RS2.1 303.35,1188.54 R18RS2.1
RS485RS3_N: CON3RS3.1 R19RS3.2 R21RS3.1 | length 251.1
  Component Side w20: CON3RS3.1 262.87,723.9 R19RS3.2 372.52,736.02 R21RS3.1
RS485RS3_P: CON3RS3.2 R18RS3.1 R19RS3.1 | length 268.3
  Component Side w20: CON3RS3.2 194.21,822.32 222.09,850.2 R19RS3.1 303.35,878.54 R18RS3.1
RS485RS4_N: CON3RS4.1 R19RS4.2 R21RS4.1 | length 251.1
  Component Side w20: CON3RS4.1 262.87,415.79 R19RS4.2 372.52,427.91 R21RS4.1
RS485RS4_P: CON3RS4.2 R18RS4.1 R19RS4.1 | length 268.3
  Component Side w20: CON3RS4.2 194.21,514.21 222.09,542.09 R19RS4.1 303.35,570.43 R18RS4.1
RS485RS5_N: CON3RS5.1 R19RS5.2 R21RS5.1 | length 251.1
  Component Side w20: CON3RS5.1 497.87,105.79 R19RS5.2 607.52,117.91 R21RS5.1
RS485RS5_P: CON3RS5.2 R18RS5.1 R19RS5.1 | length 268.3
  Component Side w20: CON3RS5.2 429.21,204.21 457.09,232.09 R19RS5.1 538.35,260.43 R18RS5.1
RS485RS_N: CON3RS.1 R19RS.2 R21RS.1 | length 251.1
  Component Side w20: CON3RS.1 1213.9,1982.13 R19RS.2 1226.02,1872.48 R21RS.1
RS485RS_P: CON3RS.2 R18RS.1 R19RS.1 | length 268.3
  Component Side w20: CON3RS.2 1312.32,2050.79 1340.2,2022.91 R19RS.1 1368.54,1941.65 R18RS.1
RS485RX1: U1.17 U4RS2.1 | length 801.8
  Component Side w8: U4RS2.1 838.11,1043.11 v1(840,1045) ; v1(1400,1045) 1402.64,1042.36 U1.17
  Bottom Layer w8: v1(840,1045) v1(1400,1045)
RS485RX2: U1.27 U4RS3.1 | length 626.1
  Component Side w8: U4RS3.1 843.11,733.11 v1(845,735) ; v1(845,880) 875,910 990,910 v1(990.22,910.22) ; v1(1200.34,910.22) 1205.79,904.77 U1.27
  Bottom Layer w8: v1(845,735) v1(845,880) ; v1(990.22,910.22) v1(1200.34,910.22)
RS485RX3: U1.39 U4RS4.1 | length 498.9
  Component Side w8: U4RS4.1 v1(855,425) ; v1(855,665) 980,665 989.53,674.53 U1.39
  Bottom Layer w8: v1(855,425) v1(855,665)
RS485RX4: U1.52 U4RS5.1 | length 429.6
  Component Side w8: U4RS5.1 1070,115 1095,140 v1(1125,140) ; U1.52 1166.42,383.58 v1(1175,375)
  Bottom Layer w8: v1(1125,140) 1125,325 v1(1175,375)
RS485TX1: U1.16 U4RS2.4 | length 1314.8
  Component Side w8: U4RS2.4 v1@838.11,1193.11 ; v1(1325,1195) 1330,1190 v1(1330,1080) ; U1.16 1495.22,792.64 v1(1495.22,824.74) ; v1(1595,845) v1(1595,1070)
  Bottom Layer w8: v1(840,1195) v1(1325,1195) ; v1(1330,1080) 1515,1080 1525,1070 v1(1595,1070) ; v1(1495.22,824.74) 1574.74,824.74 v1(1595,845)
RS485TX2: U1.26 U4RS3.4 | length 578.5
  Component Side w8: U4RS3.4@803.11,883.11 U4RS3.4 808.11,883.11 875,950 v1(990,950) ; v1(1225,950) 1225.47,949.53 U1.26
  Bottom Layer w8: v1(990,950) v1(1225,950)
RS485TX3: U1.38 U4RS4.4 | length 371.7
  Component Side w8: U4RS4.4 v1(830,575) ; v1(830,690) 975,690 979.21,694.21 U1.38
  Bottom Layer w8: v1(830,575) v1(830,690)
RS485TX4: U1.48 U4RS5.4 | length 247.9
  Component Side w8: U4RS5.4 1030,265 1035,270 v1(1035,295) ; v1(1035,475) 1035,494.88 U1.48
  Bottom Layer w8: v1(1035,295) v1(1035,475)
RXD0: CON2.10 U4RS.1 | length 1139.3
  Component Side w8: U4RS.1 1223.11,1488.11 1280,1545 1370,1545 1405,1580 v1(1405,1760)
  Bottom Layer w8: v1(1405,1760) 2045.51,1760 CON2.10
SC: CON2.28 R14.2 U3.6 | length 543.7
  Component Side w8: U3.6 1790,906.54 R14.2
  Bottom Layer w8: v1(1790,905) 1925,905 1965,865 2050.51,865 CON2.28
SCL1: CON2.5 R23.2 U5.6 | length 335.3
  Component Side w8: R23.2 1838.46,2010 v1(1870,2010) 1870,1905 1855,1890 U5.6
  Bottom Layer w8: v1(1870,2010) 1871.73,2011.73 CON2.5
SD: CON2.27 R15.2 U3.5 | length 666.1
  Component Side w8: R15.2 1556.54,1116.54 1590,1150 1725,1150 1740,1135 U3.5 v1(1740,945)
  Bottom Layer w8: v1(1740,945) 1963.98,945 CON2.27
SDA1: CON2.3 R24.2 U5.5 | length 411.9
  Component Side w8: R24.2 v1@1905,2080 ; v1(1903.75,2081.25) v1@1905,2080 ; U5.5 v1@1905,2080
  Bottom Layer w8: v1(1903.75,2081.25) 1934.23,2111.73 CON2.3
SH: C14.2 CON1.6 R3.2 | length 248.7
  Component Side w40: R3.2 C14.2 1444.59,2447.09 CON1.6@1447.5,2450
TXD0: CON2.8 R30.2 U4RS.4 | length 1263
  Component Side w8: R30.2 1373.11,1420.35 U4RS.4 1435,1524.37 1435,1680 1455,1700 v1(1455,1920)
  Bottom Layer w8: v1(1455,1920) 1900,1920 1955,1865 2050.51,1865 CON2.8
USBD_N: R1.2 U1.7 | length 1724.7
  Component Side w8: U1.7 1409.53,615.47 1390.78,634.22 1390.78,779.93 1456,845.15 1456,893.37 1481,918.37 1481,1193.37 1577.51,1289.88 1577.51,2139.05 R1.2
USBD_P: R2.2 U1.8 | length 1730.5
  Component Side w8: v1(1365,650) 1365,776.78 1440,851.78 1440,900 1465,925 1465,1200 1561.51,1296.51 1561.51,2155.02 R2.2 ; v1(1420,650) 1434.84,635.16 U1.8
  Bottom Layer w8: v1(1365,650) v1(1420,650)
USBIN: R4.2 R5.1 U1.14 | length 1785.9
  Component Side w8: U1.14 1513.27,753.27 1520,760 1520,890 1496,914 1496,1187.16 1592.51,1283.67 1592.51,2117.51 v1(1605,2130)
  Component Side w10: v1(1770,2160) R4.2 ; v1(1850,2160) R5.1
  Bottom Layer w8: v1(1605,2130) 1635,2160 v1(1770,2160)
  Bottom Layer w10: v1(1770,2160) v1(1850,2160)
VCELL: BAT1.1 BAT1.2 U5.3 | length 291.7
  Component Side w15: v4(1855,1600) U5.3
  Bottom Layer w15: BAT1.1 1808.7,1646.3 v4(1855,1600)
VIN: C21.1 C23.2 CON4.1 U6.2 | length 1347.2
  Component Side w20: C21.1@85,2229.06 154.06,2160 255,2160 315,2220 315,2375 370,2430 CON4.1
  Component Side w35: U6.2 758.11,2018.11 760,2020
  Component Side w50: CON4.1 545,2430 585,2390 585,2065 630,2020 760,2020
VUSB: CON1.1 R4.1 R16.2 | length 297.1
  Component Side w10: 1759.57,2290 1759.57,2263.9 R4.1
  Component Side w12: CON1.1 1617.26,2297.74 1625,2290
  Component Side w30: 1625,2290 1759.57,2290 R16.2
WP: J1.1 R13.2 U3.7 | length 403.8
  Component Side w8: J1.1 1650,1065 1630,1085 R13.2 1633.46,1120 v1(1685,1120) ; U3.7 v1(1840,1120)
  Bottom Layer w8: v1(1685,1120) v1(1840,1120)
pads on no net: CON1.4 CON2. CON2.12 CON2.13 CON2.15 CON2.16 CON2.18 CON2.19 CON2.21 CON2.22 CON2.23 CON2.24 CON2.26 CON2.29 CON2.31 CON2.32 CON2.33 CON2.35 CON2.37 CON2.38 CON2.40 FID1.0 FID2.0 U1.18 U1.19 U1.21 U1.22 U1.23 U1.28 U1.29 U1.30 U1.32 U1.33 U1.36 U1.40 U1.41 U1.43 U1.44 U1.45 U1.53 U1.54 U1.55 U1.57 U1.58 U5.7 U6.5 U6.7 Y2.

## Polygon pours and split planes (outlines as drawn)
GND on Bottom Layer "GND_L02_P002" (solid, remove dead copper, pour order 2): 0,2525 2170,2525 2170,0 0,0
GND on Component Side "GND_TOP" (solid, remove dead copper, pour order 0): 0,2525 2170,2525 2170,0 0,0

## Keep-outs
Keep-Out Layer:
  the board outline again, w7.87

## Other copper
Component Side:
  rectangle net 1V8: 1065,420 1105,440

## Silkscreen, mask and mechanical layers (free items; w line width, h text height)
Top Overlay:
  text "'.id'" at 600,1235 h60
  text "v'.ver'" at 955,1235 h60